# KiCad board poly_kb_molecule_16x5.kicad_pcb (continued)
## Routing (per net, layer and track width the routed paths; a pad name or vN(x,y) marks a point on that pad's centre or on a via; arc(x,y) is an arc through that point) (continued)
CS4: length 1653.6
  Top w0.254: v1(73.56,67.05) 73.26,66.75 71.37,66.75 69.96,65.34 69.96,64.31 69.5,63.85 69,63.85 68.06,62.91 63.15,62.91 61.78,64.28 61.04,64.28 59.7,65.63 v1(59.7,65.75) ; v1(21.6,8.6) 21.6,8.48 22.94,7.13 23.68,7.13 25.05,5.76 29.96,5.76 30.9,6.7 31.4,6.7 31.86,7.16 31.86,8.19 33.27,9.6 35.16,9.6 v1(35.46,9.9) ; v1(78.75,46.7) 78.75,46.58 80.09,45.23 80.83,45.23 82.2,43.86 87.11,43.86 88.05,44.8 88.55,44.8 89.01,45.26 89.01,46.29 90.42,47.7 92.31,47.7 v1(92.61,48) ; v1(59.7,46.7) 59.7,46.58 61.04,45.23 61.78,45.23 63.15,43.86 68.06,43.86 69,44.8 69.5,44.8 69.96,45.26 69.96,46.29 71.37,47.7 73.26,47.7 v1(73.56,48) ; v1(116.85,8.6) 116.85,8.48 118.19,7.13 118.93,7.13 120.3,5.76 125.21,5.76 126.15,6.7 126.65,6.7 127.11,7.16 127.11,8.19 128.52,9.6 130.41,9.6 v1(130.71,9.9) ; v1(168.81,67.05) 168.51,66.75 166.62,66.75 165.21,65.34 165.21,64.31 164.75,63.85 164.25,63.85 163.31,62.91 158.4,62.91 157.03,64.28 156.29,64.28 154.95,65.63 v1(154.95,65.75) ; v1(54.51,48) 54.21,47.7 52.32,47.7 50.91,46.29 50.91,45.26 50.45,44.8 49.95,44.8 49.01,43.86 44.1,43.86 42.73,45.23 41.99,45.23 40.65,46.58 v1(40.65,46.7) ; v1(97.8,46.7) 97.8,46.58 99.14,45.23 99.88,45.23 101.25,43.86 106.16,43.86 107.1,44.8 107.6,44.8 108.06,45.26 108.06,46.29 109.47,47.7 111.36,47.7 v1(111.66,48) ; v1(73.56,28.95) 73.26,28.65 71.37,28.65 69.96,27.24 69.96,26.21 69.5,25.75 69,25.75 68.06,24.81 63.15,24.81 61.78,26.18 61.04,26.18 59.7,27.53 v1(59.7,27.65) ; v1(187.86,9.9) 187.56,9.6 185.67,9.6 184.26,8.19 184.26,7.16 183.8,6.7 183.3,6.7 182.36,5.76 177.45,5.76 176.08,7.13 175.34,7.13 174,8.48 v1(174,8.6) ; v1(97.8,84.8) 97.8,84.68 99.14,83.33 99.88,83.33 101.25,81.96 106.16,81.96 107.1,82.9 107.6,82.9 108.06,83.36 108.06,84.39 109.47,85.8 111.36,85.8 v1(111.66,86.1) ; v1(40.65,27.65) 40.65,27.53 41.99,26.18 42.73,26.18 44.1,24.81 49.01,24.81 49.95,25.75 50.45,25.75 50.91,26.21 50.91,27.24 52.32,28.65 54.21,28.65 v1(54.51,28.95) ; v1(193.05,46.7) 193.05,46.58 194.39,45.23 195.13,45.23 196.5,43.86 201.41,43.86 202.35,44.8 202.85,44.8 203.31,45.26 203.31,46.29 204.72,47.7 206.61,47.7 v1(206.91,48) ; v1(35.46,28.95) 35.16,28.65 33.27,28.65 31.86,27.24 31.86,26.21 31.4,25.75 30.9,25.75 29.96,24.81 25.05,24.81 23.68,26.18 22.94,26.18 21.6,27.53 v1(21.6,27.65) ; v1(92.61,28.95) 92.31,28.65 90.42,28.65 89.01,27.24 89.01,26.21 88.55,25.75 88.05,25.75 87.11,24.81 82.2,24.81 80.83,26.18 80.09,26.18 78.75,27.53 v1(78.75,27.65) ; v1(288.3,27.65) 288.3,27.53 289.64,26.18 290.38,26.18 291.75,24.81 296.66,24.81 297.6,25.75 298.1,25.75 298.56,26.21 298.56,27.24 299.97,28.65 301.86,28.65 v1(302.16,28.95) ; v1(174,84.8) 174,84.68 175.34,83.33 176.08,83.33 177.45,81.96 182.36,81.96 183.3,82.9 183.8,82.9 184.26,83.36 184.26,84.39 185.67,85.8 187.56,85.8 v1(187.86,86.1) ; v1(116.85,46.7) 116.85,46.58 118.19,45.23 118.93,45.23 120.3,43.86 125.21,43.86 126.15,44.8 126.65,44.8 127.11,45.26 127.11,46.29 128.52,47.7 130.41,47.7 v1(130.71,48) ; v1(92.61,67.05) 92.31,66.75 90.42,66.75 89.01,65.34 89.01,64.31 88.55,63.85 88.05,63.85 87.11,62.91 82.2,62.91 80.83,64.28 80.09,64.28 78.75,65.63 v1(78.75,65.75) ; v1(193.05,8.6) 193.05,8.48 194.39,7.13 195.13,7.13 196.5,5.76 201.41,5.76 202.35,6.7 202.85,6.7 203.31,7.16 203.31,8.19 204.72,9.6 206.61,9.6 v1(206.91,9.9) ; v1(21.6,65.75) 21.6,65.63 22.94,64.28 23.68,64.28 25.05,62.91 29.96,62.91 30.9,63.85 31.4,63.85 31.86,64.31 31.86,65.34 33.27,66.75 35.16,66.75 v1(35.46,67.05) ; v1(193.05,65.75) 193.05,65.63 194.39,64.28 195.13,64.28 196.5,62.91 201.41,62.91 202.35,63.85 202.85,63.85 203.31,64.31 203.31,65.34 204.72,66.75 206.61,66.75 v1(206.91,67.05) ; v1(2.55,65.75) 2.55,65.63 3.89,64.28 4.63,64.28 6,62.91 10.91,62.91 11.85,63.85 12.35,63.85 12.81,64.31 12.81,65.34 14.22,66.75 16.11,66.75 v1(16.41,67.05) ; v1(283.11,86.1) 282.81,85.8 280.92,85.8 279.51,84.39 279.51,83.36 279.05,82.9 278.55,82.9 277.61,81.96 272.7,81.96 271.33,83.33 270.59,83.33 269.25,84.68 v1(269.25,84.8) ; v1(231.15,84.8) 231.15,84.68 232.49,83.33 233.23,83.33 234.6,81.96 239.51,81.96 240.45,82.9 240.95,82.9 241.41,83.36 241.41,84.39 242.82,85.8 244.71,85.8 v1(245.01,86.1) ; v1(302.16,9.9) 301.86,9.6 299.97,9.6 298.56,8.19 298.56,7.16 298.1,6.7 297.6,6.7 296.66,5.76 291.75,5.76 290.38,7.13 289.64,7.13 288.3,8.48 v1(288.3,8.6) ; v1(245.01,67.05) 244.71,66.75 242.82,66.75 241.41,65.34 241.41,64.31 240.95,63.85 240.45,63.85 239.51,62.91 234.6,62.91 233.23,64.28 232.49,64.28 231.15,65.63 v1(231.15,65.75) ; v1(174,27.65) 174,27.53 175.34,26.18 176.08,26.18 177.45,24.81 182.36,24.81 183.3,25.75 183.8,25.75 184.26,26.21 184.26,27.24 185.67,28.65 187.56,28.65 v1(187.86,28.95) ; v1(245.01,9.9) 244.71,9.6 242.82,9.6 241.41,8.19 241.41,7.16 240.95,6.7 240.45,6.7 239.51,5.76 234.6,5.76 233.23,7.13 232.49,7.13 231.15,8.48 v1(231.15,8.6) ; v1(174,46.7) 174,46.58 175.34,45.23 176.08,45.23 177.45,43.86 182.36,43.86 183.3,44.8 183.8,44.8 184.26,45.26 184.26,46.29 185.67,47.7 187.56,47.7 v1(187.86,48) ; v1(35.46,86.1) 35.16,85.8 33.27,85.8 31.86,84.39 31.86,83.36 31.4,82.9 30.9,82.9 29.96,81.96 25.05,81.96 23.68,83.33 22.94,83.33 21.6,84.68 v1(21.6,84.8) ; v1(264.06,86.1) 263.76,85.8 261.87,85.8 260.46,84.39 260.46,83.36 260,82.9 259.5,82.9 258.56,81.96 253.65,81.96 252.28,83.33 251.54,83.33 250.2,84.68 v1(250.2,84.8) ; v1(288.3,65.75) 288.3,65.63 289.64,64.28 290.38,64.28 291.75,62.91 296.66,62.91 297.6,63.85 298.1,63.85 298.56,64.31 298.56,65.34 299.97,66.75 301.86,66.75 v1(302.16,67.05) ; v1(92.61,86.1) 92.31,85.8 90.42,85.8 89.01,84.39 89.01,83.36 88.55,82.9 88.05,82.9 87.11,81.96 82.2,81.96 80.83,83.33 80.09,83.33 78.75,84.68 v1(78.75,84.8) ; v1(16.41,9.9) 16.11,9.6 14.22,9.6 12.81,8.19 12.81,7.16 12.35,6.7 11.85,6.7 10.91,5.76 6,5.76 4.63,7.13 3.89,7.13 2.55,8.48 v1(2.55,8.6) ; v1(269.25,46.7) 269.25,46.58 270.59,45.23 271.33,45.23 272.7,43.86 277.61,43.86 278.55,44.8 279.05,44.8 279.51,45.26 279.51,46.29 280.92,47.7 282.81,47.7 v1(283.11,48) ; v1(16.41,28.95) 16.11,28.65 14.22,28.65 12.81,27.24 12.81,26.21 12.35,25.75 11.85,25.75 10.91,24.81 6,24.81 4.63,26.18 3.89,26.18 2.55,27.53 v1(2.55,27.65) ; v1(264.06,9.9) 263.76,9.6 261.87,9.6 260.46,8.19 260.46,7.16 260,6.7 259.5,6.7 258.56,5.76 253.65,5.76 252.28,7.13 251.54,7.13 250.2,8.48 v1(250.2,8.6) ; v1(168.81,86.1) 168.51,85.8 166.62,85.8 165.21,84.39 165.21,83.36 164.75,82.9 164.25,82.9 163.31,81.96 158.4,81.96 157.03,83.33 156.29,83.33 154.95,84.68 v1(154.95,84.8) ; v1(59.7,84.8) 59.7,84.68 61.04,83.33 61.78,83.33 63.15,81.96 68.06,81.96 69,82.9 69.5,82.9 69.96,83.36 69.96,84.39 71.37,85.8 73.26,85.8 v1(73.56,86.1) ; v1(269.25,27.65) 269.25,27.53 270.59,26.18 271.33,26.18 272.7,24.81 277.61,24.81 278.55,25.75 279.05,25.75 279.51,26.21 279.51,27.24 280.92,28.65 282.81,28.65 v1(283.11,28.95) ; v1(40.65,65.75) 40.65,65.63 41.99,64.28 42.73,64.28 44.1,62.91 49.01,62.91 49.95,63.85 50.45,63.85 50.91,64.31 50.91,65.34 52.32,66.75 54.21,66.75 v1(54.51,67.05) ; v1(73.56,9.9) 73.26,9.6 71.37,9.6 69.96,8.19 69.96,7.16 69.5,6.7 69,6.7 68.06,5.76 63.15,5.76 61.78,7.13 61.04,7.13 59.7,8.48 v1(59.7,8.6) ; v1(193.05,84.8) 193.05,84.68 194.39,83.33 195.13,83.33 196.5,81.96 201.41,81.96 202.35,82.9 202.85,82.9 203.31,83.36 203.31,84.39 204.72,85.8 206.61,85.8 v1(206.91,86.1) ; v1(264.06,28.95) 263.76,28.65 261.87,28.65 260.46,27.24 260.46,26.21 260,25.75 259.5,25.75 258.56,24.81 253.65,24.81 252.28,26.18 251.54,26.18 250.2,27.53 v1(250.2,27.65) ; v1(116.85,27.65) 116.85,27.53 118.19,26.18 118.93,26.18 120.3,24.81 125.21,24.81 126.15,25.75 126.65,25.75 127.11,26.21 127.11,27.24 128.52,28.65 130.41,28.65 v1(130.71,28.95) ; v1(174,65.75) 174,65.63 175.34,64.28 176.08,64.28 177.45,62.91 182.36,62.91 183.3,63.85 183.8,63.85 184.26,64.31 184.26,65.34 185.67,66.75 187.56,66.75 v1(187.86,67.05) ; v1(269.25,65.75) 269.25,65.63 270.59,64.28 271.33,64.28 272.7,62.91 277.61,62.91 278.55,63.85 279.05,63.85 279.51,64.31 279.51,65.34 280.92,66.75 282.81,66.75 v1(283.11,67.05) ; v1(245.01,48) 244.71,47.7 242.82,47.7 241.41,46.29 241.41,45.26 240.95,44.8 240.45,44.8 239.51,43.86 234.6,43.86 233.23,45.23 232.49,45.23 231.15,46.58 v1(231.15,46.7) ; v1(245.01,28.95) 244.71,28.65 242.82,28.65 241.41,27.24 241.41,26.21 240.95,25.75 240.45,25.75 239.51,24.81 234.6,24.81 233.23,26.18 232.49,26.18 231.15,27.53 v1(231.15,27.65) ; v1(54.51,9.9) 54.21,9.6 52.32,9.6 50.91,8.19 50.91,7.16 50.45,6.7 49.95,6.7 49.01,5.76 44.1,5.76 42.73,7.13 41.99,7.13 40.65,8.48 v1(40.65,8.6) ; v1(288.3,46.7) 288.3,46.58 289.64,45.23 290.38,45.23 291.75,43.86 296.66,43.86 297.6,44.8 298.1,44.8 298.56,45.26 298.56,46.29 299.97,47.7 301.86,47.7 v1(302.16,48) ; v1(168.81,28.95) 168.51,28.65 166.62,28.65 165.21,27.24 165.21,26.21 164.75,25.75 164.25,25.75 163.31,24.81 158.4,24.81 157.03,26.18 156.29,26.18 154.95,27.53 v1(154.95,27.65) ; v1(302.16,86.1) 301.86,85.8 299.97,85.8 298.56,84.39 298.56,83.36 298.1,82.9 297.6,82.9 296.66,81.96 291.75,81.96 290.38,83.33 289.64,83.33 288.3,84.68 v1(288.3,84.8) ; v1(35.46,48) 35.16,47.7 33.27,47.7 31.86,46.29 31.86,45.26 31.4,44.8 30.9,44.8 29.96,43.86 25.05,43.86 23.68,45.23 22.94,45.23 21.6,46.58 v1(21.6,46.7) ; v1(225.96,28.95) 225.66,28.65 223.77,28.65 222.36,27.24 222.36,26.21 221.9,25.75 221.4,25.75 220.46,24.81 215.55,24.81 214.18,26.18 213.44,26.18 212.1,27.53 v1(212.1,27.65) ; v1(168.81,48) 168.51,47.7 166.62,47.7 165.21,46.29 165.21,45.26 164.75,44.8 164.25,44.8 163.31,43.86 158.4,43.86 157.03,45.23 156.29,45.23 154.95,46.58 v1(154.95,46.7) ; v1(212.1,65.75) 212.1,65.63 213.44,64.28 214.18,64.28 215.55,62.91 220.46,62.91 221.4,63.85 221.9,63.85 222.36,64.31 222.36,65.34 223.77,66.75 225.66,66.75 v1(225.96,67.05) ; v1(111.66,67.05) 111.36,66.75 109.47,66.75 108.06,65.34 108.06,64.31 107.6,63.85 107.1,63.85 106.16,62.91 101.25,62.91 99.88,64.28 99.14,64.28 97.8,65.63 v1(97.8,65.75) ; v1(269.25,8.6) 269.25,8.48 270.59,7.13 271.33,7.13 272.7,5.76 277.61,5.76 278.55,6.7 279.05,6.7 279.51,7.16 279.51,8.19 280.92,9.6 282.81,9.6 v1(283.11,9.9) ; v1(2.55,84.8) 2.55,84.68 3.89,83.33 4.63,83.33 6,81.96 10.91,81.96 11.85,82.9 12.35,82.9 12.81,83.36 12.81,84.39 14.22,85.8 16.11,85.8 v1(16.41,86.1) ; v1(92.61,9.9) 92.31,9.6 90.42,9.6 89.01,8.19 89.01,7.16 88.55,6.7 88.05,6.7 87.11,5.76 82.2,5.76 80.83,7.13 80.09,7.13 78.75,8.48 v1(78.75,8.6) ; v1(264.06,67.05) 263.76,66.75 261.87,66.75 260.46,65.34 260.46,64.31 260,63.85 259.5,63.85 258.56,62.91 253.65,62.91 252.28,64.28 251.54,64.28 250.2,65.63 v1(250.2,65.75) ; v1(225.96,9.9) 225.66,9.6 223.77,9.6 222.36,8.19 222.36,7.16 221.9,6.7 221.4,6.7 220.46,5.76 215.55,5.76 214.18,7.13 213.44,7.13 212.1,8.48 v1(212.1,8.6) ; v1(111.66,9.9) 111.36,9.6 109.47,9.6 108.06,8.19 108.06,7.16 107.6,6.7 107.1,6.7 106.16,5.76 101.25,5.76 99.88,7.13 99.14,7.13 97.8,8.48 v1(97.8,8.6) ; v1(97.8,27.65) 97.8,27.53 99.14,26.18 99.88,26.18 101.25,24.81 106.16,24.81 107.1,25.75 107.6,25.75 108.06,26.21 108.06,27.24 109.47,28.65 111.36,28.65 v1(111.66,28.95) ; v1(264.06,48) 263.76,47.7 261.87,47.7 260.46,46.29 260.46,45.26 260,44.8 259.5,44.8 258.56,43.86 253.65,43.86 252.28,45.23 251.54,45.23 250.2,46.58 v1(250.2,46.7) ; v1(130.71,67.05) 130.41,66.75 128.52,66.75 127.11,65.34 127.11,64.31 126.65,63.85 126.15,63.85 125.21,62.91 120.3,62.91 118.93,64.28 118.19,64.28 116.85,65.63 v1(116.85,65.75) ; v1(225.96,48) 225.66,47.7 223.77,47.7 222.36,46.29 222.36,45.26 221.9,44.8 221.4,44.8 220.46,43.86 215.55,43.86 214.18,45.23 213.44,45.23 212.1,46.58 v1(212.1,46.7) ; v1(116.85,84.8) 116.85,84.68 118.19,83.33 118.93,83.33 120.3,81.96 125.21,81.96 126.15,82.9 126.65,82.9 127.11,83.36 127.11,84.39 128.52,85.8 130.41,85.8 v1(130.71,86.1) ; v1(2.55,46.7) 2.55,46.58 3.89,45.23 4.63,45.23 6,43.86 10.91,43.86 11.85,44.8 12.35,44.8 12.81,45.26 12.81,46.29 14.22,47.7 16.11,47.7 v1(16.41,48) ; v1(225.96,86.1) 225.66,85.8 223.77,85.8 222.36,84.39 222.36,83.36 221.9,82.9 221.4,82.9 220.46,81.96 215.55,81.96 214.18,83.33 213.44,83.33 212.1,84.68 v1(212.1,84.8) ; v1(206.91,28.95) 206.61,28.65 204.72,28.65 203.31,27.24 203.31,26.21 202.85,25.75 202.35,25.75 201.41,24.81 196.5,24.81 195.13,26.18 194.39,26.18 193.05,27.53 v1(193.05,27.65) ; v1(154.95,8.6) 154.95,8.48 156.29,7.13 157.03,7.13 158.4,5.76 163.31,5.76 164.25,6.7 164.75,6.7 165.21,7.16 165.21,8.19 166.62,9.6 168.51,9.6 v1(168.81,9.9) ; v1(54.51,86.1) 54.21,85.8 52.32,85.8 50.91,84.39 50.91,83.36 50.45,82.9 49.95,82.9 49.01,81.96 44.1,81.96 42.73,83.33 41.99,83.33 40.65,84.68 v1(40.65,84.8)
  Bottom w0.254: 246.38,28.58 245.39,28.58 v1(245.01,28.95) ; 227.33,66.67 226.34,66.67 v1(225.96,67.05) ; 208.28,47.62 207.29,47.62 v1(206.91,48) ; v1(174,8.6) 173.65,8.6 172.72,9.53 ; 96.52,28.58 97.44,27.65 v1(97.8,27.65) ; v1(231.15,46.7) 230.8,46.7 229.87,47.62 ; v1(212.1,8.6) 211.75,8.6 210.82,9.53 ; v1(54.51,86.1) 54.89,85.72 55.88,85.72 ; 115.57,47.62 116.5,46.7 v1(116.85,46.7) ; 172.72,66.67 173.65,65.75 v1(174,65.75) ; v1(264.06,86.1) 264.44,85.72 265.43,85.72 ; v1(40.65,84.8) 40.3,84.8 39.37,85.72 ; 265.43,28.58 264.44,28.58 v1(264.06,28.95) ; v1(187.86,86.1) 188.24,85.72 189.23,85.72 ; v1(54.51,9.9) 54.89,9.53 55.88,9.53 ; 20.32,85.72 21.24,84.8 v1(21.6,84.8) ; 77.47,9.53 78.39,8.6 v1(78.75,8.6) ; v1(225.96,86.1) 226.34,85.72 227.33,85.72 ; v1(245.01,86.1) 245.39,85.72 246.38,85.72 ; 208.28,9.53 207.29,9.53 v1(206.91,9.9) ; 132.08,66.67 131.09,66.67 v1(130.71,67.05) ; 55.88,47.62 54.89,47.62 v1(54.51,48) ; v1(92.61,28.95) 92.99,28.58 93.98,28.58 ; v1(130.71,9.9) 131.09,9.53 132.08,9.53 ; 20.32,28.58 21.24,27.65 v1(21.6,27.65) ; v1(187.86,9.9) 188.24,9.53 189.23,9.53 ; 93.98,85.72 92.99,85.72 v1(92.61,86.1) ; v1(78.75,46.7) 78.39,46.7 77.47,47.62 ; v1(193.05,27.65) 192.69,27.65 191.77,28.58 ; 74.93,9.53 73.94,9.53 v1(73.56,9.9) ; v1(250.2,46.7) 249.84,46.7 248.92,47.62 ; v1(168.81,67.05) 169.19,66.67 170.18,66.67 ; 189.23,28.58 188.24,28.58 v1(187.86,28.95) ; 229.87,9.53 230.8,8.6 v1(231.15,8.6) ; 246.38,66.67 245.39,66.67 v1(245.01,67.05) ; 246.38,47.62 245.39,47.62 v1(245.01,48) ; v1(250.2,8.6) 249.84,8.6 248.92,9.53 ; v1(168.81,86.1) 169.19,85.72 170.18,85.72 ; v1(35.46,9.9) 35.84,9.53 36.83,9.53 ; v1(269.25,27.65) 268.89,27.65 267.97,28.58 ; 1.27,9.53 2.2,8.6 v1(2.55,8.6) ; v1(73.56,48) 73.94,47.62 74.93,47.62 ; v1(116.85,27.65) 116.5,27.65 115.57,28.58 ; v1(168.81,9.9) 169.19,9.53 170.18,9.53 ; v1(225.96,28.95) 226.34,28.58 227.33,28.58 ; 267.97,47.62 268.89,46.7 v1(269.25,46.7) ; 303.53,9.53 302.54,9.53 v1(302.16,9.9) ; 1.27,85.72 2.2,84.8 v1(2.55,84.8) ; 1.27,66.67 2.2,65.75 v1(2.55,65.75) ; 265.43,66.67 264.44,66.67 v1(264.06,67.05) ; 303.53,47.62 302.54,47.62 v1(302.16,48) ; v1(154.95,8.6) 154.59,8.6 153.67,9.53 ; 132.08,28.58 131.09,28.58 v1(130.71,28.95) ; 58.42,85.72 59.34,84.8 v1(59.7,84.8) ; v1(111.66,9.9) 112.04,9.53 113.03,9.53 ; 210.82,85.72 211.75,84.8 v1(212.1,84.8) ; 96.52,85.72 97.44,84.8 v1(97.8,84.8) ; v1(231.15,27.65) 230.8,27.65 229.87,28.58 ; 1.27,47.62 2.2,46.7 v1(2.55,46.7) ; 210.82,28.58 211.75,27.65 v1(212.1,27.65) ; 284.48,47.62 283.49,47.62 v1(283.11,48) ; v1(193.05,65.75) 192.69,65.75 191.77,66.67 ; v1(73.56,86.1) 73.94,85.72 74.93,85.72 ; 227.33,47.62 226.34,47.62 v1(225.96,48) ; 210.82,66.67 211.75,65.75 v1(212.1,65.75) ; 208.28,85.72 207.29,85.72 v1(206.91,86.1) ; 267.97,85.72 268.89,84.8 v1(269.25,84.8) ; 229.87,66.67 230.8,65.75 v1(231.15,65.75) ; 287.02,66.67 287.94,65.75 v1(288.3,65.75) ; 36.83,85.72 35.84,85.72 v1(35.46,86.1) ; v1(78.75,84.8) 78.39,84.8 77.47,85.72 ; 113.03,47.62 112.04,47.62 v1(111.66,48) ; 115.57,85.72 116.5,84.8 v1(116.85,84.8) ; 96.52,47.62 97.44,46.7 v1(97.8,46.7) ; 77.47,28.58 78.39,27.65 v1(78.75,27.65) ; v1(250.2,84.8) 249.84,84.8 248.92,85.72 ; 17.78,47.62 16.79,47.62 v1(16.41,48) ; v1(264.06,9.9) 264.44,9.53 265.43,9.53 ; 115.57,9.53 116.5,8.6 v1(116.85,8.6) ; 96.52,66.67 97.44,65.75 v1(97.8,65.75) ; 96.52,9.53 97.44,8.6 v1(97.8,8.6) ; 248.92,28.58 249.84,27.65 v1(250.2,27.65) ; v1(35.46,28.95) 35.84,28.58 36.83,28.58 ; v1(212.1,46.7) 211.75,46.7 210.82,47.62 ; v1(78.75,65.75) 78.39,65.75 77.47,66.67 ; v1(283.11,67.05) 283.49,66.67 284.48,66.67 ; v1(59.7,46.7) 59.34,46.7 58.42,47.62 ; v1(302.16,28.95) 302.54,28.58 303.53,28.58 ; 153.67,66.67 154.59,65.75 v1(154.95,65.75) ; 55.88,66.67 54.89,66.67 v1(54.51,67.05) ; v1(174,84.8) 173.65,84.8 172.72,85.72 ; 93.98,47.62 92.99,47.62 v1(92.61,48) ; v1(154.95,46.7) 154.59,46.7 153.67,47.62 ; v1(168.81,28.95) 169.19,28.58 170.18,28.58 ; v1(130.71,86.1) 131.09,85.72 132.08,85.72 ; 248.92,66.67 249.84,65.75 v1(250.2,65.75) ; v1(288.3,27.65) 287.94,27.65 287.02,28.58 ; v1(130.71,48) 131.09,47.62 132.08,47.62 ; v1(2.55,27.65) 2.2,27.65 1.27,28.58 ; v1(225.96,9.9) 226.34,9.53 227.33,9.53 ; v1(206.91,28.95) 207.29,28.58 208.28,28.58 ; v1(59.7,65.75) 59.34,65.75 58.42,66.67 ; 36.83,66.67 35.84,66.67 v1(35.46,67.05) ; 115.57,66.67 116.5,65.75 v1(116.85,65.75) ; 20.32,9.53 21.24,8.6 v1(21.6,8.6) ; 17.78,66.67 16.79,66.67 v1(16.41,67.05) ; 303.53,85.72 302.54,85.72 v1(302.16,86.1) ; v1(168.81,48) 169.19,47.62 170.18,47.62 ; 208.28,66.67 207.29,66.67 v1(206.91,67.05) ; 191.77,9.53 192.69,8.6 v1(193.05,8.6) ; 93.98,66.67 92.99,66.67 v1(92.61,67.05) ; 58.42,28.58 59.34,27.65 v1(59.7,27.65) ; 172.72,28.58 173.65,27.65 v1(174,27.65) ; v1(154.95,84.8) 154.59,84.8 153.67,85.72 ; v1(21.6,65.75) 21.24,65.75 20.32,66.67 ; v1(283.11,28.95) 283.49,28.58 284.48,28.58 ; 113.03,85.72 112.04,85.72 v1(111.66,86.1) ; 246.38,9.53 245.39,9.53 v1(245.01,9.9) ; v1(16.41,28.95) 16.79,28.58 17.78,28.58 ; 93.98,9.53 92.99,9.53 v1(92.61,9.9) ; v1(283.11,86.1) 283.49,85.72 284.48,85.72 ; 39.37,66.67 40.3,65.75 v1(40.65,65.75) ; 74.93,66.67 73.94,66.67 v1(73.56,67.05) ; v1(154.95,27.65) 154.59,27.65 153.67,28.58 ; 39.37,47.62 40.3,46.7 v1(40.65,46.7) ; v1(269.25,65.75) 268.89,65.75 267.97,66.67 ; v1(288.3,8.6) 287.94,8.6 287.02,9.53 ; v1(231.15,84.8) 230.8,84.8 229.87,85.72 ; 113.03,28.58 112.04,28.58 v1(111.66,28.95) ; 39.37,9.53 40.3,8.6 v1(40.65,8.6) ; 17.78,85.72 16.79,85.72 v1(16.41,86.1) ; v1(35.46,48) 35.84,47.62 36.83,47.62 ; v1(54.51,28.95) 54.89,28.58 55.88,28.58 ; 303.53,66.67 302.54,66.67 v1(302.16,67.05) ; 39.37,28.58 40.3,27.65 v1(40.65,27.65) ; 287.02,47.62 287.94,46.7 v1(288.3,46.7) ; 74.93,28.58 73.94,28.58 v1(73.56,28.95) ; v1(283.11,9.9) 283.49,9.53 284.48,9.53 ; v1(59.7,8.6) 59.34,8.6 58.42,9.53 ; v1(174,46.7) 173.65,46.7 172.72,47.62 ; 287.02,85.72 287.94,84.8 v1(288.3,84.8) ; 20.32,47.62 21.24,46.7 v1(21.6,46.7) ; 189.23,47.62 188.24,47.62 v1(187.86,48) ; v1(193.05,84.8) 192.69,84.8 191.77,85.72 ; v1(111.66,67.05) 112.04,66.67 113.03,66.67 ; v1(16.41,9.9) 16.79,9.53 17.78,9.53 ; v1(187.86,67.05) 188.24,66.67 189.23,66.67 ; 191.77,47.62 192.69,46.7 v1(193.05,46.7) ; v1(269.25,8.6) 268.89,8.6 267.97,9.53 ; v1(264.06,48) 264.44,47.62 265.43,47.62
  Bottom w1.5: J6#18.5 J5#74.5 ; J6#30.5 J5#59.5 ; J6#38.5 J5#45.5 ; J6#64.5 J5#15.5 ; J6#33.5 J5#18.5 ; J6#59.5 J5#21.5 ; J6#56.5 J5#9.5 ; J6#28.5 J5#10.5 ; J6#72.5 J5#62.5 ; J6#36.5 J5#17.5 ; J6#61.5 J5#14.5 ; J6.5 J5#65.5 ; J6#58.5 J5#55.5 ; J6#75.5 J5#38.5 ; J6#45.5 J5#36.5 ; J6#3.5 J5#69.5 ; J6#57.5 J5#6.5 ; J6#14.5 J5#42.5 ; J6#63.5 J5#71.5 ; J6#17.5 J5#70.5 ; J6#51.5 J5#50.5 ; J6#71.5 J5#33.5 ; J6#37.5 J5#79.5 ; J6#48.5 J5#31.5 ; J6#65.5 J5#32.5 ; J6#12.5 J5#80.5 ; J6#10.5 J5#66.5 ; J6#29.5 J5#41.5 ; J6#4.5 J5#51.5 ; J6#24.5 J5#63.5 ; J6#19.5 J5#43.5 ; J6#6.5 J5#3.5 ; J6#60.5 J5#52.5 ; J6#62.5 J5#68.5 ; J6#2.5 J5#24.5 ; J6#26.5 J5#46.5 ; J6#54.5 J5#20.5 ; J6#20.5 J5#8.5 ; J6#42.5 J5#64.5 ; J6#35.5 J5#61.5 ; J6#46.5 J5#39.5 ; J6#69.5 J5#13.5 ; J6#13.5 J5#44.5 ; J6#67.5 J5#16.5 ; J6#55.5 J5#11.5 ; J6#32.5 J5#19.5 ; J6#25.5 J5#48.5 ; J6#52.5 J5#58.5 ; J6#44.5 J5#56.5 ; J6#23.5 J5#29.5 ; J6#43.5 J5#7.5 ; J6#47.5 J5#37.5 ; J6#5.5 J5#60.5 ; J6#16.5 J5#2.5 ; J6#50.5 J5#54.5 ; J6#31.5 J5#22.5 ; J6#74.5 J5#77.5 ; J6#70.5 J5#27.5 ; J6#73.5 J5#30.5 ; J6#22.5 J5#47.5 ; J6#49.5 J5#78.5 ; J6#66.5 J5#28.5 ; J6#40.5 J5#73.5 ; J6#11.5 J5#26.5 ; J6#39.5 J5#49.5 ; J6#53.5 J5#12.5 ; J6#7.5 J5#35.5 ; J6#41.5 J5#75.5 ; J6#27.5 J5#23.5 ; J6#68.5 J5#76.5
CS5: length 1662.9
  Top w0.254: v1(40.64,26.03) 40.57,25.96 40.57,25.16 40.98,24.74 41.01,24.74 41.19,24.56 43.16,24.56 43.77,23.95 52.74,23.95 54.48,25.69 v1(54.7,25.69) ; v1(111.85,63.79) 111.63,63.79 109.89,62.05 100.92,62.05 100.31,62.66 98.34,62.66 98.16,62.84 98.13,62.84 97.72,63.26 97.72,64.06 v1(97.79,64.13) ; v1(264.25,6.64) 264.03,6.64 262.29,4.9 253.32,4.9 252.71,5.51 250.74,5.51 250.56,5.69 250.53,5.69 250.12,6.11 250.12,6.91 v1(250.19,6.98) ; v1(269.24,26.03) 269.17,25.96 269.17,25.16 269.58,24.74 269.61,24.74 269.79,24.56 271.76,24.56 272.37,23.95 281.34,23.95 283.08,25.69 v1(283.3,25.69) ; v1(250.19,64.13) 250.12,64.06 250.12,63.26 250.53,62.84 250.56,62.84 250.74,62.66 252.71,62.66 253.32,62.05 262.29,62.05 264.03,63.79 v1(264.25,63.79) ; v1(188.05,25.69) 187.83,25.69 186.09,23.95 177.12,23.95 176.51,24.56 174.54,24.56 174.36,24.74 174.33,24.74 173.92,25.16 173.92,25.96 v1(173.99,26.03) ; v1(16.6,25.69) 16.38,25.69 14.64,23.95 5.67,23.95 5.06,24.56 3.09,24.56 2.91,24.74 2.88,24.74 2.47,25.16 2.47,25.96 v1(2.54,26.03) ; v1(283.3,82.84) 283.08,82.84 281.34,81.1 272.37,81.1 271.76,81.71 269.79,81.71 269.61,81.89 269.58,81.89 269.17,82.31 269.17,83.11 v1(269.24,83.19) ; v1(40.64,64.13) 40.57,64.06 40.57,63.26 40.98,62.84 41.01,62.84 41.19,62.66 43.16,62.66 43.77,62.05 52.74,62.05 54.48,63.79 v1(54.7,63.79) ; v1(21.59,26.03) 21.52,25.96 21.52,25.16 21.93,24.74 21.96,24.74 22.14,24.56 24.11,24.56 24.72,23.95 33.69,23.95 35.43,25.69 v1(35.65,25.69) ; v1(130.9,82.84) 130.68,82.84 128.94,81.1 119.97,81.1 119.36,81.71 117.39,81.71 117.21,81.89 117.18,81.89 116.77,82.31 116.77,83.11 v1(116.84,83.19) ; v1(73.75,44.74) 73.53,44.74 71.79,43 62.82,43 62.21,43.61 60.24,43.61 60.06,43.79 60.03,43.79 59.62,44.21 59.62,45.01 v1(59.69,45.08) ; v1(212.09,26.03) 212.02,25.96 212.02,25.16 212.43,24.74 212.46,24.74 212.64,24.56 214.61,24.56 215.22,23.95 224.19,23.95 225.93,25.69 v1(226.15,25.69) ; v1(111.85,25.69) 111.63,25.69 109.89,23.95 100.92,23.95 100.31,24.56 98.34,24.56 98.16,24.74 98.13,24.74 97.72,25.16 97.72,25.96 v1(97.79,26.03) ; v1(2.54,83.19) 2.47,83.11 2.47,82.31 2.88,81.89 2.91,81.89 3.09,81.71 5.06,81.71 5.67,81.1 14.64,81.1 16.38,82.84 v1(16.6,82.84) ; v1(302.35,82.84) 302.13,82.84 300.39,81.1 291.42,81.1 290.81,81.71 288.84,81.71 288.66,81.89 288.63,81.89 288.22,82.31 288.22,83.11 v1(288.29,83.19) ; v1(226.15,44.74) 225.93,44.74 224.19,43 215.22,43 214.61,43.61 212.64,43.61 212.46,43.79 212.43,43.79 212.02,44.21 212.02,45.01 v1(212.09,45.08) ; v1(21.59,83.19) 21.52,83.11 21.52,82.31 21.93,81.89 21.96,81.89 22.14,81.71 24.11,81.71 24.72,81.1 33.69,81.1 35.43,82.84 v1(35.65,82.84) ; v1(154.94,6.98) 154.87,6.91 154.87,6.11 155.28,5.69 155.31,5.69 155.49,5.51 157.46,5.51 158.07,4.9 167.04,4.9 168.78,6.64 v1(169,6.64) ; v1(269.24,45.08) 269.17,45.01 269.17,44.21 269.58,43.79 269.61,43.79 269.79,43.61 271.76,43.61 272.37,43 281.34,43 283.08,44.74 v1(283.3,44.74) ; v1(78.74,83.19) 78.67,83.11 78.67,82.31 79.08,81.89 79.11,81.89 79.29,81.71 81.26,81.71 81.87,81.1 90.84,81.1 92.58,82.84 v1(92.8,82.84) ; v1(59.69,83.19) 59.62,83.11 59.62,82.31 60.03,81.89 60.06,81.89 60.24,81.71 62.21,81.71 62.82,81.1 71.79,81.1 73.53,82.84 v1(73.75,82.84) ; v1(116.84,45.08) 116.77,45.01 116.77,44.21 117.18,43.79 117.21,43.79 117.39,43.61 119.36,43.61 119.97,43 128.94,43 130.68,44.74 v1(130.9,44.74) ; v1(193.04,45.08) 192.97,45.01 192.97,44.21 193.38,43.79 193.41,43.79 193.59,43.61 195.56,43.61 196.17,43 205.14,43 206.88,44.74 v1(207.1,44.74) ; v1(250.19,26.03) 250.12,25.96 250.12,25.16 250.53,24.74 250.56,24.74 250.74,24.56 252.71,24.56 253.32,23.95 262.29,23.95 264.03,25.69 v1(264.25,25.69) ; v1(169,44.74) 168.78,44.74 167.04,43 158.07,43 157.46,43.61 155.49,43.61 155.31,43.79 155.28,43.79 154.87,44.21 154.87,45.01 v1(154.94,45.08) ; v1(154.94,83.19) 154.87,83.11 154.87,82.31 155.28,81.89 155.31,81.89 155.49,81.71 157.46,81.71 158.07,81.1 167.04,81.1 168.78,82.84 v1(169,82.84) ; v1(288.29,45.08) 288.22,45.01 288.22,44.21 288.63,43.79 288.66,43.79 288.84,43.61 290.81,43.61 291.42,43 300.39,43 302.13,44.74 v1(302.35,44.74) ; v1(288.29,26.03) 288.22,25.96 288.22,25.16 288.63,24.74 288.66,24.74 288.84,24.56 290.81,24.56 291.42,23.95 300.39,23.95 302.13,25.69 v1(302.35,25.69) ; v1(97.79,83.19) 97.72,83.11 97.72,82.31 98.13,81.89 98.16,81.89 98.34,81.71 100.31,81.71 100.92,81.1 109.89,81.1 111.63,82.84 v1(111.85,82.84) ; v1(250.19,45.08) 250.12,45.01 250.12,44.21 250.53,43.79 250.56,43.79 250.74,43.61 252.71,43.61 253.32,43 262.29,43 264.03,44.74 v1(264.25,44.74) ; v1(231.14,6.98) 231.07,6.91 231.07,6.11 231.48,5.69 231.51,5.69 231.69,5.51 233.66,5.51 234.27,4.9 243.24,4.9 244.98,6.64 v1(245.2,6.64) ; v1(302.35,63.79) 302.13,63.79 300.39,62.05 291.42,62.05 290.81,62.66 288.84,62.66 288.66,62.84 288.63,62.84 288.22,63.26 288.22,64.06 v1(288.29,64.13) ; v1(288.29,6.98) 288.22,6.91 288.22,6.11 288.63,5.69 288.66,5.69 288.84,5.51 290.81,5.51 291.42,4.9 300.39,4.9 302.13,6.64 v1(302.35,6.64) ; v1(250.19,83.19) 250.12,83.11 250.12,82.31 250.53,81.89 250.56,81.89 250.74,81.71 252.71,81.71 253.32,81.1 262.29,81.1 264.03,82.84 v1(264.25,82.84) ; v1(207.1,63.79) 206.88,63.79 205.14,62.05 196.17,62.05 195.56,62.66 193.59,62.66 193.41,62.84 193.38,62.84 192.97,63.26 192.97,64.06 v1(193.04,64.13) ; v1(40.64,83.19) 40.57,83.11 40.57,82.31 40.98,81.89 41.01,81.89 41.19,81.71 43.16,81.71 43.77,81.1 52.74,81.1 54.48,82.84 v1(54.7,82.84) ; v1(207.1,25.69) 206.88,25.69 205.14,23.95 196.17,23.95 195.56,24.56 193.59,24.56 193.41,24.74 193.38,24.74 192.97,25.16 192.97,25.96 v1(193.04,26.03) ; v1(16.6,6.64) 16.38,6.64 14.64,4.9 5.67,4.9 5.06,5.51 3.09,5.51 2.91,5.69 2.88,5.69 2.47,6.11 2.47,6.91 v1(2.54,6.98) ; v1(59.69,26.03) 59.62,25.96 59.62,25.16 60.03,24.74 60.06,24.74 60.24,24.56 62.21,24.56 62.82,23.95 71.79,23.95 73.53,25.69 v1(73.75,25.69) ; v1(283.3,63.79) 283.08,63.79 281.34,62.05 272.37,62.05 271.76,62.66 269.79,62.66 269.61,62.84 269.58,62.84 269.17,63.26 269.17,64.06 v1(269.24,64.13) ; v1(78.74,26.03) 78.67,25.96 78.67,25.16 79.08,24.74 79.11,24.74 79.29,24.56 81.26,24.56 81.87,23.95 90.84,23.95 92.58,25.69 v1(92.8,25.69) ; v1(245.2,63.79) 244.98,63.79 243.24,62.05 234.27,62.05 233.66,62.66 231.69,62.66 231.51,62.84 231.48,62.84 231.07,63.26 231.07,64.06 v1(231.14,64.13) ; v1(92.8,44.74) 92.58,44.74 90.84,43 81.87,43 81.26,43.61 79.29,43.61 79.11,43.79 79.08,43.79 78.67,44.21 78.67,45.01 v1(78.74,45.08) ; v1(212.09,83.19) 212.02,83.11 212.02,82.31 212.43,81.89 212.46,81.89 212.64,81.71 214.61,81.71 215.22,81.1 224.19,81.1 225.93,82.84 v1(226.15,82.84) ; v1(16.6,44.74) 16.38,44.74 14.64,43 5.67,43 5.06,43.61 3.09,43.61 2.91,43.79 2.88,43.79 2.47,44.21 2.47,45.01 v1(2.54,45.08) ; v1(154.94,64.13) 154.87,64.06 154.87,63.26 155.28,62.84 155.31,62.84 155.49,62.66 157.46,62.66 158.07,62.05 167.04,62.05 168.78,63.79 v1(169,63.79) ; v1(207.1,6.64) 206.88,6.64 205.14,4.9 196.17,4.9 195.56,5.51 193.59,5.51 193.41,5.69 193.38,5.69 192.97,6.11 192.97,6.91 v1(193.04,6.98) ; v1(111.85,6.64) 111.63,6.64 109.89,4.9 100.92,4.9 100.31,5.51 98.34,5.51 98.16,5.69 98.13,5.69 97.72,6.11 97.72,6.91 v1(97.79,6.98) ; v1(245.2,44.74) 244.98,44.74 243.24,43 234.27,43 233.66,43.61 231.69,43.61 231.51,43.79 231.48,43.79 231.07,44.21 231.07,45.01 v1(231.14,45.08) ; v1(226.15,6.64) 225.93,6.64 224.19,4.9 215.22,4.9 214.61,5.51 212.64,5.51 212.46,5.69 212.43,5.69 212.02,6.11 212.02,6.91 v1(212.09,6.98) ; v1(35.65,63.79) 35.43,63.79 33.69,62.05 24.72,62.05 24.11,62.66 22.14,62.66 21.96,62.84 21.93,62.84 21.52,63.26 21.52,64.06 v1(21.59,64.13) ; v1(245.2,82.84) 244.98,82.84 243.24,81.1 234.27,81.1 233.66,81.71 231.69,81.71 231.51,81.89 231.48,81.89 231.07,82.31 231.07,83.11 v1(231.14,83.19) ; v1(245.2,25.69) 244.98,25.69 243.24,23.95 234.27,23.95 233.66,24.56 231.69,24.56 231.51,24.74 231.48,24.74 231.07,25.16 231.07,25.96 v1(231.14,26.03) ; v1(35.65,6.64) 35.43,6.64 33.69,4.9 24.72,4.9 24.11,5.51 22.14,5.51 21.96,5.69 21.93,5.69 21.52,6.11 21.52,6.91 v1(21.59,6.98) ; v1(173.99,6.98) 173.92,6.91 173.92,6.11 174.33,5.69 174.36,5.69 174.54,5.51 176.51,5.51 177.12,4.9 186.09,4.9 187.83,6.64 v1(188.05,6.64) ; v1(116.84,64.13) 116.77,64.06 116.77,63.26 117.18,62.84 117.21,62.84 117.39,62.66 119.36,62.66 119.97,62.05 128.94,62.05 130.68,63.79 v1(130.9,63.79) ; v1(173.99,83.19) 173.92,83.11 173.92,82.31 174.33,81.89 174.36,81.89 174.54,81.71 176.51,81.71 177.12,81.1 186.09,81.1 187.83,82.84 v1(188.05,82.84) ; v1(78.74,64.13) 78.67,64.06 78.67,63.26 79.08,62.84 79.11,62.84 79.29,62.66 81.26,62.66 81.87,62.05 90.84,62.05 92.58,63.79 v1(92.8,63.79) ; v1(35.65,44.74) 35.43,44.74 33.69,43 24.72,43 24.11,43.61 22.14,43.61 21.96,43.79 21.93,43.79 21.52,44.21 21.52,45.01 v1(21.59,45.08) ; v1(169,25.69) 168.78,25.69 167.04,23.95 158.07,23.95 157.46,24.56 155.49,24.56 155.31,24.74 155.28,24.74 154.87,25.16 154.87,25.96 v1(154.94,26.03) ; v1(97.79,45.08) 97.72,45.01 97.72,44.21 98.13,43.79 98.16,43.79 98.34,43.61 100.31,43.61 100.92,43 109.89,43 111.63,44.74 v1(111.85,44.74) ; v1(78.74,6.98) 78.67,6.91 78.67,6.11 79.08,5.69 79.11,5.69 79.29,5.51 81.26,5.51 81.87,4.9 90.84,4.9 92.58,6.64 v1(92.8,6.64) ; v1(226.15,63.79) 225.93,63.79 224.19,62.05 215.22,62.05 214.61,62.66 212.64,62.66 212.46,62.84 212.43,62.84 212.02,63.26 212.02,64.06 v1(212.09,64.13) ; v1(59.69,6.98) 59.62,6.91 59.62,6.11 60.03,5.69 60.06,5.69 60.24,5.51 62.21,5.51 62.82,4.9 71.79,4.9 73.53,6.64 v1(73.75,6.64) ; v1(173.99,45.08) 173.92,45.01 173.92,44.21 174.33,43.79 174.36,43.79 174.54,43.61 176.51,43.61 177.12,43 186.09,43 187.83,44.74 v1(188.05,44.74) ; v1(283.3,6.64) 283.08,6.64 281.34,4.9 272.37,4.9 271.76,5.51 269.79,5.51 269.61,5.69 269.58,5.69 269.17,6.11 269.17,6.91 v1(269.24,6.98) ; v1(188.05,63.79) 187.83,63.79 186.09,62.05 177.12,62.05 176.51,62.66 174.54,62.66 174.36,62.84 174.33,62.84 173.92,63.26 173.92,64.06 v1(173.99,64.13) ; v1(73.75,63.79) 73.53,63.79 71.79,62.05 62.82,62.05 62.21,62.66 60.24,62.66 60.06,62.84 60.03,62.84 59.62,63.26 59.62,64.06 v1(59.69,64.13) ; v1(54.7,6.64) 54.48,6.64 52.74,4.9 43.77,4.9 43.16,5.51 41.19,5.51 41.01,5.69 40.98,5.69 40.57,6.11 40.57,6.91 v1(40.64,6.98) ; v1(2.54,64.13) 2.47,64.06 2.47,63.26 2.88,62.84 2.91,62.84 3.09,62.66 5.06,62.66 5.67,62.05 14.64,62.05 16.38,63.79 v1(16.6,63.79) ; v1(130.9,25.69) 130.68,25.69 128.94,23.95 119.97,23.95 119.36,24.56 117.39,24.56 117.21,24.74 117.18,24.74 116.77,25.16 116.77,25.96 v1(116.84,26.03) ; v1(130.9,6.64) 130.68,6.64 128.94,4.9 119.97,4.9 119.36,5.51 117.39,5.51 117.21,5.69 117.18,5.69 116.77,6.11 116.77,6.91 v1(116.84,6.98) ; v1(193.04,83.19) 192.97,83.11 192.97,82.31 193.38,81.89 193.41,81.89 193.59,81.71 195.56,81.71 196.17,81.1 205.14,81.1 206.88,82.84 v1(207.1,82.84) ; v1(40.64,45.08) 40.57,45.01 40.57,44.21 40.98,43.79 41.01,43.79 41.19,43.61 43.16,43.61 43.77,43 52.74,43 54.48,44.74 v1(54.7,44.74)
  Bottom w0.254: J5#21.6 58.1,65.11 59.28,65.11 59.69,64.7 v1(59.69,64.13) ; v1(35.65,82.84) 36.53,83.72 36.83,83.72 ; v1(78.74,45.08) 78.74,45.65 78.33,46.06 77.15,46.06 J5#50.6 ; v1(40.64,26.03) 40.64,26.6 40.23,27.01 39.05,27.01 J5#77.6 ; J5#40.6 0.95,7.96 2.13,7.96 2.54,7.55 v1(2.54,6.98) ; v1(78.74,64.13) 78.74,64.7 78.33,65.11 77.15,65.11 J5#29.6 ; J5#33.6 286.7,46.06 287.88,46.06 288.29,45.65 v1(288.29,45.08) ; v1(92.8,6.64) 93.68,7.53 93.98,7.53 ; v1(245.2,25.69) 246.08,26.58 246.38,26.58 ; v1(212.09,83.19) 212.09,83.75 211.68,84.16 210.5,84.16 J5#20.6 ; v1(288.29,64.13) 288.29,64.7 287.88,65.11 286.7,65.11 J5#70.6 ; v1(21.59,45.08) 21.59,45.65 21.18,46.06 20,46.06 J5#8.6 ; v1(59.69,6.98) 59.69,7.55 59.28,7.96 58.1,7.96 J5#9.6 ; 265.43,26.58 265.13,26.58 v1(264.25,25.69) ; v1(16.6,6.64) 17.48,7.53 17.78,7.53 ; J5#15.6 191.45,65.11 192.63,65.11 193.04,64.7 v1(193.04,64.13) ; J5#34.6 153.35,84.16 154.53,84.16 154.94,83.75 v1(154.94,83.19) ; 170.18,45.62 169.88,45.62 v1(169,44.74) ; 113.03,7.53 112.73,7.53 v1(111.85,6.64) ; J5#63.6 20,27.01 21.18,27.01 21.59,26.6 v1(21.59,26.03) ; v1(97.79,83.19) 97.79,83.75 97.38,84.16 96.2,84.16 J5#46.6 ; J5#11.6 77.15,7.96 78.33,7.96 78.74,7.55 v1(78.74,6.98) ; v1(40.64,6.98) 40.64,7.55 40.23,7.96 39.05,7.96 J5#71.6 ; 303.53,7.53 303.23,7.53 v1(302.35,6.64) ; v1(21.59,64.13) 21.59,64.7 21.18,65.11 20,65.11 J5#38.6 ; J5#59.6 229.55,65.11 230.73,65.11 231.14,64.7 v1(231.14,64.13) ; J5#75.6 210.5,65.11 211.68,65.11 212.09,64.7 v1(212.09,64.13) ; 246.38,64.67 246.08,64.67 v1(245.2,63.79) ; J5#37.6 191.45,7.96 192.63,7.96 193.04,7.55 v1(193.04,6.98) ; v1(212.09,26.03) 212.09,26.6 211.68,27.01 210.5,27.01 J5#55.6 ; v1(264.25,63.79) 265.13,64.67 265.43,64.67 ; J5#72.6 153.35,46.06 154.53,46.06 154.94,45.65 v1(154.94,45.08) ; J5#16.6 286.7,7.96 287.88,7.96 288.29,7.55 v1(288.29,6.98) ; 189.23,7.53 188.93,7.53 v1(188.05,6.64) ; v1(54.7,63.79) 55.58,64.67 55.88,64.67 ; J5#56.6 58.1,84.16 59.28,84.16 59.69,83.75 v1(59.69,83.19) ; J5#18.6 115.25,46.06 116.43,46.06 116.84,45.65 v1(116.84,45.08) ; v1(226.15,82.84) 227.03,83.72 227.33,83.72 ; J5#41.6 248.6,27.01 249.78,27.01 250.19,26.6 v1(250.19,26.03) ; J5#47.6 267.65,46.06 268.83,46.06 269.24,45.65 v1(269.24,45.08) ; v1(269.24,64.13) 269.24,64.7 268.83,65.11 267.65,65.11 J5#64.6 ; v1(188.05,63.79) 188.93,64.67 189.23,64.67 ; v1(92.8,63.79) 93.68,64.67 93.98,64.67 ; J5#49.6 248.6,46.06 249.78,46.06 250.19,45.65 v1(250.19,45.08) ; v1(73.75,25.69) 74.63,26.58 74.93,26.58 ; v1(231.14,6.98) 231.14,7.55 230.73,7.96 229.55,7.96 J5#14.6 ; v1(92.8,82.84) 93.68,83.72 93.98,83.72 ; J5#6.6 58.1,27.01 59.28,27.01 59.69,26.6 v1(59.69,26.03) ; 170.18,26.58 169.88,26.58 v1(169,25.69) ; J5#44.6 172.4,46.06 173.58,46.06 173.99,45.65 v1(173.99,45.08) ; v1(92.8,44.74) 93.68,45.62 93.98,45.62 ; v1(73.75,82.84) 74.63,83.72 74.93,83.72 ; 189.23,26.58 188.93,26.58 v1(188.05,25.69) ; v1(250.19,83.19) 250.19,83.75 249.78,84.16 248.6,84.16 J5#58.6 ; v1(283.3,82.84) 284.18,83.72 284.48,83.72 ; 55.88,45.62 55.58,45.62 v1(54.7,44.74) ; v1(40.64,64.13) 40.64,64.7 40.23,65.11 39.05,65.11 J5#69.6 ; J5#39.6 115.25,84.16 116.43,84.16 116.84,83.75 v1(116.84,83.19) ; v1(116.84,6.98) 116.84,7.55 116.43,7.96 115.25,7.96 J5#66.6 ; v1(21.59,6.98) 21.59,7.55 21.18,7.96 20,7.96 J5#32.6 ; 36.83,45.62 36.53,45.62 v1(35.65,44.74) ; J5#51.6 115.25,65.11 116.43,65.11 116.84,64.7 v1(116.84,64.13) ; 36.83,64.67 36.53,64.67 v1(35.65,63.79) ; 55.88,7.53 55.58,7.53 v1(54.7,6.64) ; v1(207.1,25.69) 207.98,26.58 208.28,26.58 ; v1(226.15,63.79) 227.03,64.67 227.33,64.67 ; 246.38,7.53 246.08,7.53 v1(245.2,6.64) ; J5#61.6 58.1,46.06 59.28,46.06 59.69,45.65 v1(59.69,45.08) ; 303.53,83.72 303.23,83.72 v1(302.35,82.84) ; J5#13.6 267.65,7.96 268.83,7.96 269.24,7.55 v1(269.24,6.98) ; v1(97.79,64.13) 97.79,64.7 97.38,65.11 96.2,65.11 J5#48.6 ; 132.08,83.72 131.78,83.72 v1(130.9,82.84) ; v1(2.54,45.08) 2.54,45.65 2.13,46.06 0.95,46.06 J5#67.6 ; v1(207.1,63.79) 207.98,64.67 208.28,64.67 ; 170.18,83.72 169.88,83.72 v1(169,82.84) ; v1(193.04,26.03) 193.04,26.6 192.63,27.01 191.45,27.01 J5#45.6 ; v1(283.3,44.74) 284.18,45.62 284.48,45.62 ; J5#80.6 191.45,46.06 192.63,46.06 193.04,45.65 v1(193.04,45.08) ; 55.88,26.58 55.58,26.58 v1(54.7,25.69) ; v1(169,63.79) 169.88,64.67 170.18,64.67 ; v1(21.59,83.19) 21.59,83.75 21.18,84.16 20,84.16 J5#65.6 ; v1(212.09,6.98) 212.09,7.55 211.68,7.96 210.5,7.96 J5#42.6 ; v1(226.15,6.64) 227.03,7.53 227.33,7.53 ; v1(97.79,26.03) 97.79,26.6 97.38,27.01 96.2,27.01 J5#30.6 ; 246.38,83.72 246.08,83.72 v1(245.2,82.84) ; 17.78,83.72 17.48,83.72 v1(16.6,82.84) ; v1(264.25,82.84) 265.13,83.72 265.43,83.72 ; v1(40.64,83.19) 40.64,83.75 40.23,84.16 39.05,84.16 J5#3.6 ; J5#62.6 115.25,27.01 116.43,27.01 116.84,26.6 v1(116.84,26.03) ; v1(40.64,45.08) 40.64,45.65 40.23,46.06 39.05,46.06 J5#31.6 ; v1(188.05,44.74) 188.93,45.62 189.23,45.62 ; J5#60.6 172.4,65.11 173.58,65.11 173.99,64.7 v1(173.99,64.13) ; v1(283.3,6.64) 284.18,7.53 284.48,7.53 ; v1(283.3,25.69) 284.18,26.58 284.48,26.58 ; J5#17.6 248.6,7.96 249.78,7.96 250.19,7.55 v1(250.19,6.98) ; J5#78.6 286.7,84.16 287.88,84.16 288.29,83.75 v1(288.29,83.19) ; 55.88,83.72 55.58,83.72 v1(54.7,82.84) ; v1(16.6,25.69) 17.48,26.58 17.78,26.58 ; v1(92.8,25.69) 93.68,26.58 93.98,26.58 ; J5#26.6 191.45,84.16 192.63,84.16 193.04,83.75 v1(193.04,83.19) ; v1(130.9,63.79) 131.78,64.67 132.08,64.67 ; 170.18,7.53 169.88,7.53 v1(169,6.64) ; v1(245.2,44.74) 246.08,45.62 246.38,45.62 ; v1(2.54,83.19) 2.54,83.75 2.13,84.16 0.95,84.16 J5.6 ; v1(269.24,83.19) 269.24,83.75 268.83,84.16 267.65,84.16 J5#68.6 ; v1(111.85,25.69) 112.73,26.58 113.03,26.58 ; 36.83,7.53 36.53,7.53 v1(35.65,6.64) ; v1(130.9,44.74) 131.78,45.62 132.08,45.62 ; 17.78,45.62 17.48,45.62 v1(16.6,44.74) ; v1(73.75,44.74) 74.63,45.62 74.93,45.62 ; v1(154.94,26.03) 154.94,26.6 154.53,27.01 153.35,27.01 J5#4.6 ; v1(302.35,63.79) 303.23,64.67 303.53,64.67 ; 208.28,7.53 207.98,7.53 v1(207.1,6.64) ; v1(97.79,6.98) 97.79,7.55 97.38,7.96 96.2,7.96 J5#12.6 ; 113.03,64.67 112.73,64.67 v1(111.85,63.79) ; v1(73.75,6.64) 74.63,7.53 74.93,7.53 ; 113.03,83.72 112.73,83.72 v1(111.85,82.84) ; 208.28,45.62 207.98,45.62 v1(207.1,44.74) ; v1(231.14,45.08) 231.14,45.65 230.73,46.06 229.55,46.06 J5#2.6 ; J5#25.6 153.35,65.11 154.53,65.11 154.94,64.7 v1(154.94,64.13) ; J5#28.6 96.2,46.06 97.38,46.06 97.79,45.65 v1(97.79,45.08) ; v1(73.75,63.79) 74.63,64.67 74.93,64.67 ; v1(35.65,25.69) 36.53,26.58 36.83,26.58 ; v1(173.99,26.03) 173.99,26.6 173.58,27.01 172.4,27.01 J5#19.6 ; v1(226.15,25.69) 227.03,26.58 227.33,26.58 ; 208.28,83.72 207.98,83.72 v1(207.1,82.84) ; v1(130.9,6.64) 131.78,7.53 132.08,7.53 ; 284.48,64.67 284.18,64.67 v1(283.3,63.79) ; 265.43,45.62 265.13,45.62 v1(264.25,44.74) ; v1(264.25,6.64) 265.13,7.53 265.43,7.53 ; v1(288.29,26.03) 288.29,26.6 287.88,27.01 286.7,27.01 J5#7.6 ; v1(130.9,25.69) 131.78,26.58 132.08,26.58 ; v1(231.14,26.03) 231.14,26.6 230.73,27.01 229.55,27.01 J5#10.6 ; 303.53,26.58 303.23,26.58 v1(302.35,25.69) ; 113.03,45.62 112.73,45.62 v1(111.85,44.74) ; J5#53.6 0.95,65.11 2.13,65.11 2.54,64.7 v1(2.54,64.13) ; J5#54.6 229.55,84.16 230.73,84.16 231.14,83.75 v1(231.14,83.19) ; J5#57.6 153.35,7.96 154.53,7.96 154.94,7.55 v1(154.94,6.98) ; v1(269.24,26.03) 269.24,26.6 268.83,27.01 267.65,27.01 J5#24.6 ; v1(173.99,83.19) 173.99,83.75 173.58,84.16 172.4,84.16 J5#43.6 ; v1(16.6,63.79) 17.48,64.67 17.78,64.67 ; v1(173.99,6.98) 173.99,7.55 173.58,7.96 172.4,7.96 J5#35.6 ; v1(188.05,82.84) 188.93,83.72 189.23,83.72 ; 227.33,45.62 227.03,45.62 v1(226.15,44.74) ; v1(2.54,26.03) 2.54,26.6 2.13,27.01 0.95,27.01 J5#5.6 ; v1(78.74,83.19) 78.74,83.75 78.33,84.16 77.15,84.16 J5#22.6 ; v1(78.74,26.03) 78.74,26.6 78.33,27.01 77.15,27.01 J5#23.6 ; v1(250.19,64.13) 250.19,64.7 249.78,65.11 248.6,65.11 J5#36.6 ; J5#79.6 210.5,46.06 211.68,46.06 212.09,45.65 v1(212.09,45.08) ; 303.53,45.62 303.23,45.62 v1(302.35,44.74)